# Altium PCB ATM1099C-0627-ssy-1.brd.PcbDoc (part 3 of 4)
Units mm, origin at the board's own origin, x right, y up, seen from the top; angles counter-clockwise.
Board outline 134 x 90 mm, 4 copper layers (TOP, GND, POWER, BOTTOM), stack 1.562 mm thick; 290 components, 303 nets, 1209 pads, 571 vias.
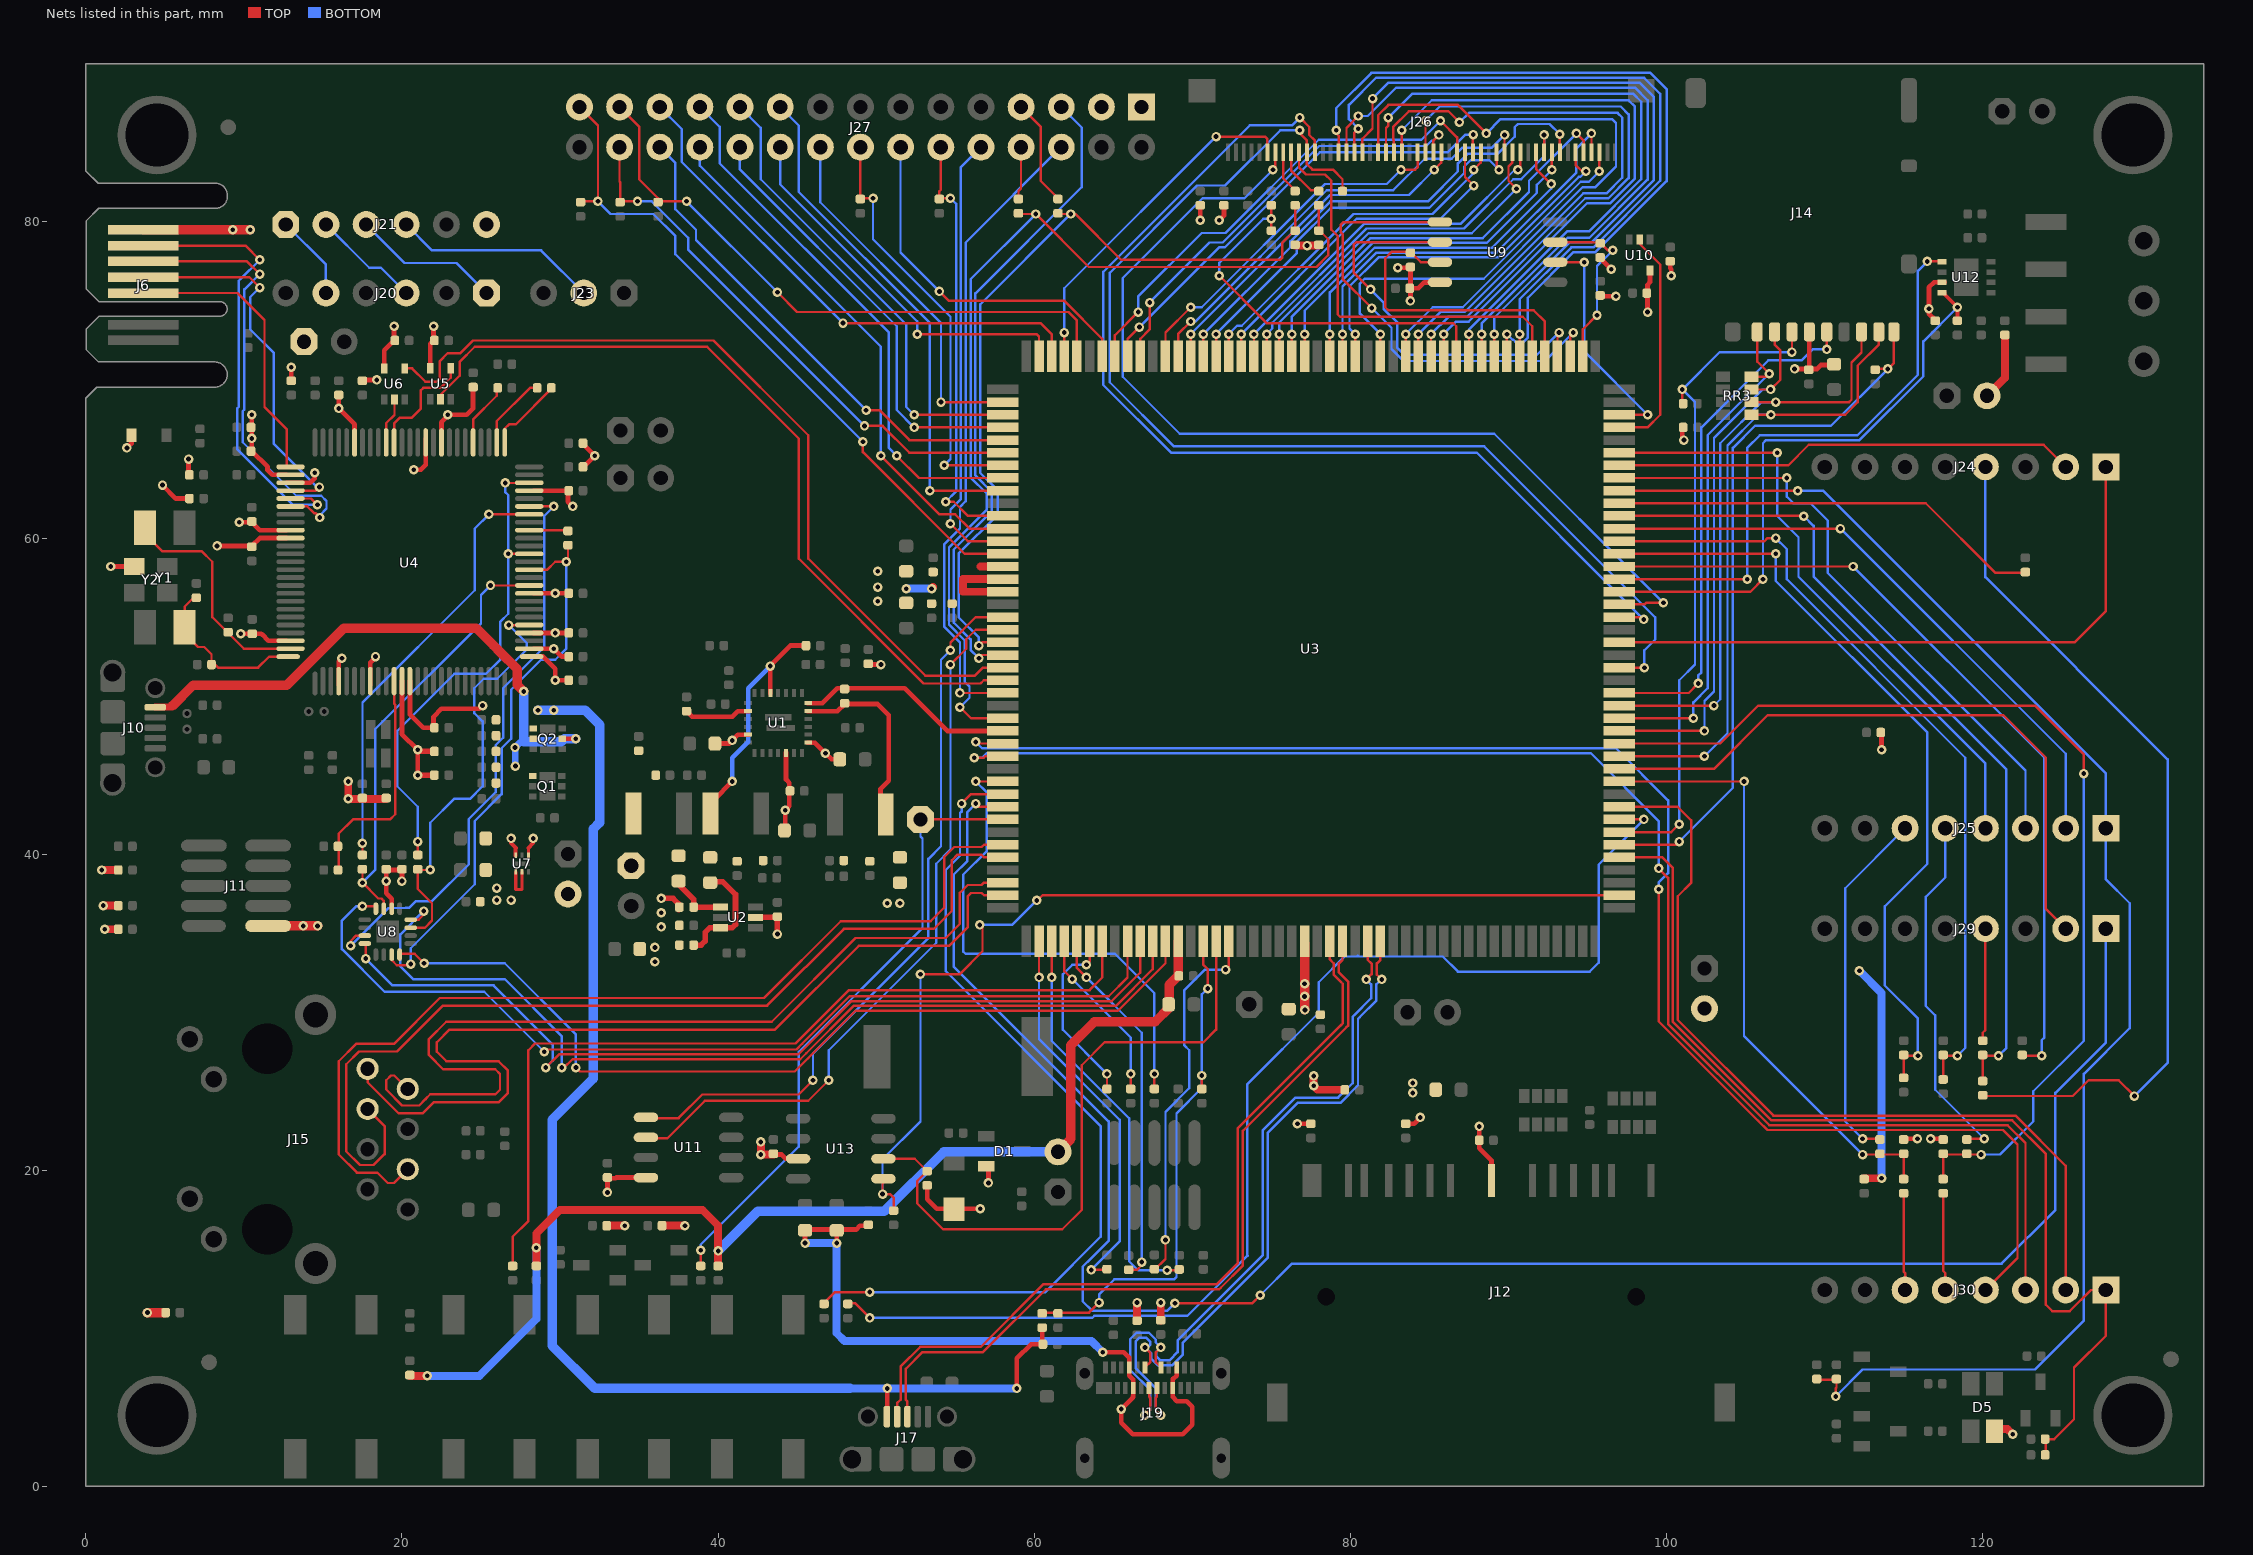
[diagram p5: the nets of this part, all layers, seen from the top]

## Via types
v1: diameter 0.6, hole 0.3, TOP to BOTTOM, tented both sides, 554 vias
v2: diameter 0.7, hole 0.3, TOP to BOTTOM, tented both sides, 17 vias

## Nets (pads, with @x,y where several pads share a name; then routed paths per layer and width w, separated by ;. In a path a pad name is that pad's centre, name@x,y a point inside that pad or via, vN(x,y) a via of type N, cw(c..) or ccw(c..) an arc to the next point about the centre after c; other vN are vias at no path point) (continued)
PA16: J26.39 U3.112 | length 68.2
  TOP w0.152: v1(76.8,86.6) 77.4,86 77.4,85.503 77.75,85.153 J26.39@77.75,84.4 ; U3.112@97,55 98.4,55 v1(98.55,54.85)
  BOTTOM w0.152: v1(76.8,86.6) 76.305,86.105 73.636,86.105 64.367,76.836 64.367,69.689 68.65,65.406 87.994,65.406 v1(98.55,54.85)
PA17: J26.40 R119.1 U3.108 | length 74.1
  TOP w0.152: v1(76.8,85.8) 76.8,85.6 77.25,85.15 77.25,83.647 77.592,83.305 78.895,83.305 79.5,82.7 R119.1@79.5,82 ; U3.108@97,51.8 v1(98.6,51.8)
  BOTTOM w0.152: v1(76.8,85.8) 75.569,85.8 72.074,82.305 70.305,82.305 64.776,76.776 64.776,69.859 68.834,65.8 88.471,65.8 99.284,54.984 99.284,53.584 98.6,52.9 v1(98.6,51.8)
PA18: J14.P7 RR3.2 U3.105 | length 38.3
  TOP w0.152: U3.105@97,49.4 v1(103,49.4) ; RR3.2@105.35,68.6 v1(106.9,68.6) 111.548,68.6 111.7,68.752 111.7,71.1 112.334,71.734 J14.P7@112.334,73.044
  BOTTOM w0.152: v1(103,49.4) 103.4,49.8 103.4,66 106,68.6 v1(106.9,68.6)
PA19: J14.P8 RR3.1 U3.101 | length 41.3
  TOP w0.152: U3.101@97,46.2 v1(102.4,46.2) ; RR3.1@105.35,67.8 RR3.1@105.375,67.8 v1(106.6,67.8) 111.3,67.8 112.1,68.6 112.1,70.906 113.434,72.24 J14.P8@113.434,73.044
  BOTTOM w0.152: v1(102.4,46.2) 103.856,47.656 103.856,65.856 105.8,67.8 v1(106.6,67.8)
PA20: J14.P1 RR3.4 U3.104 | length 32.7
  TOP w0.152: U3.104@97,48.6 v1(101.7,48.6) ; RR3.4@105.35,70.2 106.3,70.2 v1(106.5,70.4) 105.734,71.166 J14.P1@105.734,73.044
  BOTTOM w0.152: v1(101.7,48.6) 101.7,49.6 102.6,50.5 102.6,66.5 v1(106.5,70.4)
PA21: J14.P2 RR3.3 U3.103 | length 34.3
  TOP w0.152: U3.103@97,47.8 v1(102.4,47.8) ; RR3.3@105.35,69.4 RR3.3@105.375,69.4 v1(106.582,69.4) 107.2,70.018 107.2,71.874 106.834,72.24 J14.P2@106.834,73.044
  BOTTOM w0.152: v1(102.4,47.8) 102.4,49.7 103,50.3 103,66.322 106.078,69.4 v1(106.582,69.4)
PA22: J14.P5 U3.106 | length 32.6
  TOP w0.152: U3.106@97,50.2 101.4,50.2 v1(102,50.8) ; v1(110.134,71.934) J14.P5@110.134,73.044
  BOTTOM w0.152: v1(102,50.8) 102,51.303 102.2,51.503 102.2,67 106.437,71.237 108.537,71.237 109.234,71.934 v1(110.134,71.934)
PA23: R89.2 R94.1 R96.1 U3.102 | length 64.3
  TOP w0.152: U3.102@97,47 103.4,47 105.8,49.4 123.3,49.4 126.4,46.3 v1(126.4,45.1) ; R96.1@117.5,19.5 117.5,21 v1(119.9,21)
  BOTTOM w0.152: v1(119.9,21) 121.1,21 123.2,23.1 123.2,25 126.4,28.2 v1(126.4,45.1)
PA24: R90.2 R91.1 R95.1 U3.99 | length 38.7
  TOP w0.152: U3.99@97,44.6 v1(104.9,44.6) ; v1(112.4,21) 115,21 R95.1@115,19.5
  BOTTOM w0.152: v1(104.9,44.6) 104.9,28.5 v1(112.4,21)
PA25: J30.2 U3.97 | length 54.1
  TOP w0.152: U3.97@97,43 100.7,43 101.55,42.15 101.55,38.183 100.71,37.343 100.71,29.515 106.76,23.464 122.066,23.464 125.25,20.28 J30.2@125.25,12.43
PA26: J29.2 U3.100 | length 40.9
  TOP w0.152: U3.100@97,45.4 103,45.4 106.4,48.8 121.3,48.8 124,46.1 124,36.54 J29.2@125.25,35.29
PA27: R77.1 U3.90 U13.1 | length 65
  TOP w0.152: U13.1@50.46,19.466 50.46,19.237 50.4,19.177 v1(50.4,18.5) 50.875,18.5 51.1,18.275 R77.1@51.1,17.5 ; v1(52.8,32.4) 55.269,32.4 56.726,33.857 56.726,35.349 v1(56.55,35.525) ; v1(60.15,37.075) 60.15,37.025 60.525,37.4 U3.90@97,37.4
  BOTTOM w0.152: v1(50.4,18.5) 50.4,20.7 52.8,23.1 v1(52.8,32.4) ; v1(56.55,35.525) 58.6,35.525 v1(60.15,37.075)
PA28: J14.P3 R62.2 U3.95 | length 42.3
  TOP w0.152: U3.95@97,41.4 100.3,41.4 v1(100.8,41.9) ; R62.2@101,68.5 v1(101,69.4) ; v1(107.934,71.766) J14.P3@107.934,73.044
  BOTTOM w0.152: v1(100.8,41.9) 100.8,51 101.8,52 101.8,68.6 v1(101,69.4) 103.366,71.766 v1(107.934,71.766)
PA29: R73.1 U3.96 | length 77.4
  TOP w0.152: R73.1@48.2,11.6 48.662,11.6 v1(49.6,10.662) ; U3.96@97,42.2 v1(98.571,42.2)
  BOTTOM w0.152: v1(49.6,10.662) 63.662,10.662 63.8,10.8 69.692,10.8 73.5,14.608 73.472,14.636 73.472,25.442 73.5,25.47 78,29.97 78,31.9 79.629,33.529 80.519,33.529 ; 80.472,33.576 80.519,33.529 ; v1(98.571,42.2) 95.7,39.329 95.7,33.133 95.141,32.574 86.798,32.574 85.843,33.529 80.519,33.529
PA30: J14.G4 R63.2 U3.94 | length 45.4
  TOP w0.152: U3.94@97,40.6 100.6,40.6 v1(100.8,40.8) ; R63.2@113.2,70.7 v1(114,70.7) 114.384,71.084 J14.G4@114.384,73.044
  BOTTOM w0.152: v1(100.8,40.8) 104.2,44.2 104.2,65.7 105.6,67.1 110.4,67.1 v1(114,70.7)
PA31: J30.1 R133.1 R136.1 U3.93 | length 66.8
  TOP w0.152: U3.93@97,39.8 99.734,39.8 100.405,39.13 100.405,29.389 106.634,23.16 121.871,23.16 124,21.03 124,11.5 124.412,11.087 125.5,11.087 126.843,12.43 J30.1@127.79,12.43 127.79,9.538 125.775,7.523 125.775,4.25 124.525,3 124,3 R133.1@124,2
PB0: J25.2 U3.119 | length 38.9
  TOP w0.152: U3.119@97,60.6 v1(111,60.6)
  BOTTOM w0.152: v1(111,60.6) 125.25,46.35 J25.2@125.25,41.64
PB1: J25.1 R135.1 R137.1 U3.122 | length 94.6
  TOP w0.152: U3.122@97,63 v1(108.3,63) ; R137.1@109.5,6.75 110.75,6.75 110.75,6.253 110.7,6.203 v1(110.7,5.7)
  BOTTOM w0.152: v1(108.3,63) 109.9,63 127.79,45.11 J25.1@127.79,41.64 127.79,38.41 129.3,36.9 129.3,29 126.4,26.1 126.4,10.5 123.3,7.4 112.4,7.4 v1(110.7,5.7)
PB2: J24.2 U3.124 | length 29.4
  TOP w0.152: U3.124@97,64.6 107.7,64.6 109,65.9 123.85,65.9 J24.2@125.25,64.5
PB3: J25.3 U3.123 | length 39.6
  TOP w0.152: U3.123@97,63.8 v1(107.6,63.8)
  BOTTOM w0.152: v1(107.6,63.8) 107.6,62.624 108.024,62.2 109.1,62.2 110.2,61.1 110.2,57.8 122.71,45.29 J25.3@122.71,41.64
PB4: J25.4 U3.125 | length 39.2
  TOP w0.152: U3.125@97,65.4 v1(107,65.4)
  BOTTOM w0.152: v1(107,65.4) 107,61.4 108.35,60.05 108.35,57.55 120.17,45.73 J25.4@120.17,41.64
PB5: U3.134 U9.6 | length 25.9
  TOP w0.152: v1(81.274,75.726) 80.2,76.8 80.2,78.562 80.352,78.714 U9.6@85.79,78.714 ; U3.134@93.1,71.5 93.1,72.9 v1(93.2,73)
  BOTTOM w0.152: v1(81.274,75.726) 82.1,74.9 82.1,74.5 82.971,73.629 82.971,72.029 83.4,71.6 91.8,71.6 v1(93.2,73)
PB6: U3.127 U10.2 | length 14.5
  TOP w0.152: U3.127@97,67 98.8,67 99.6,67.8 99.6,77.302 98.3,78.602 U10.2@98.3,78.85
PB7: U3.133 U9.5 | length 29.8
  TOP w0.152: v1(81.35,74.55) 79.505,76.395 79.505,79.226 79.4,79.331 79.4,79.832 79.552,79.984 U9.5@85.79,79.984 ; U3.133@93.9,71.5 93.9,72.8 v1(94.1,73)
  BOTTOM w0.152: v1(81.35,74.55) 82.6,73.3 82.6,71.969 83.369,71.2 92.3,71.2 v1(94.1,73)
PB8: U3.128 U9.2 | length 15.6
  TOP w0.152: U9.2@92.29,77.444 93.19,77.444 v1(94.8,77.444) ; U3.128@97,67.8 v1(98.8,67.8)
  BOTTOM w0.152: v1(94.8,77.444) 94.8,71.8 v1(98.8,67.8)
PB9: R53.2 U3.132 U9.3 | length 12
  TOP w0.152: U9.3@92.29,78.714 93.19,78.714 95.333,78.714 95.347,78.7 95.8,78.7 95.825,78.675 96.3,78.2 v1(96.6,78.2) ; U3.132@94.7,71.5 94.7,73.2 v1(95.6,74.1)
  BOTTOM w0.152: v1(95.6,74.1) 95.6,77.2 v1(96.6,78.2)
PB10: R54.2 U3.135 U9.7 | length 19.8
  TOP w0.152: U9.7@85.79,77.444 85.664,77.444 84.456,77.444 83.8,78.1 82.6,78.1 82.2,77.7 82.2,74.6 82.4,74.4 91.6,74.4 92.3,73.7 U3.135@92.3,71.5
PB11: J26.3 U3.148 | length 24.4
  TOP w0.152: U3.148@81.9,71.5 v1(81.9,72.9) ; v1(95.75,83.2) J26.3@95.75,84.4
  BOTTOM w0.152: v1(81.9,72.9) 80.6,74.2 80.6,76.1 80.9,76.4 88.431,76.4 94.57,82.539 95.089,82.539 v1(95.75,83.2)
PB12: J26.4 U3.151 | length 26.3
  TOP w0.152: U3.151@79.5,71.5 v1(79.5,72.9) ; J26.4@95.25,84.4 v1(95.25,85.6)
  BOTTOM w0.152: v1(79.5,72.9) 79.5,75.913 81.648,78.062 89.23,78.062 94.3,83.131 94.3,84.65 v1(95.25,85.6)
PB13: J26.5 U3.155 | length 27.1
  TOP w0.152: U3.155@76.3,71.5 v1(76.3,72.9) ; v1(94.3,85.6) 94.75,85.15 J26.5@94.75,84.4
  BOTTOM w0.152: v1(76.3,72.9) 76.3,74.007 81.269,78.976 88.376,78.976 91.3,81.9 91.3,82.6 v1(94.3,85.6)
PB14: J26.6 U3.150 | length 24.2
  TOP w0.152: U3.150@80.3,71.5 v1(80.3,72.9) ; J26.6@94.252,84.4 94.25,83.6 94.65,83.2 v1(94.9,83.2)
  BOTTOM w0.152: v1(80.3,72.9) 79.944,73.256 79.944,75.926 81.774,77.757 89.357,77.757 94.444,82.844 94.544,82.844 v1(94.9,83.2)
PB15: J26.8 U3.162 | length 31.7
  TOP w0.152: U3.162@70.7,71.5 v1(70.7,72.9) ; J26.8@93.25,84.4 v1(93.25,85.548)
  BOTTOM w0.152: v1(70.7,72.9) 76.2,78.4 76.2,78.769 78.731,81.3 84.9,81.3 86.8,83.2 86.8,83.7 87.4,84.3 89.3,84.3 90.4,85.4 90.4,86 90.595,86.195 92.603,86.195 v1(93.25,85.548)
PB16: J26.9 U3.154 | length 23.6
  TOP w0.152: U3.154@77.1,71.5 v1(77.1,72.9) ; v1(92.75,83.3) J26.9@92.75,84.4
  BOTTOM w0.152: v1(77.1,72.9) 77.1,74.376 81.396,78.671 88.624,78.671 91.8,81.847 91.8,82.35 v1(92.75,83.3)
PB17: J26.10 U3.157 | length 26.3
  TOP w0.152: U3.157@74.7,71.5 v1(74.7,72.9) ; J26.10@92.25,84.4 v1(92.25,85.5)
  BOTTOM w0.152: v1(74.7,72.9) 75.056,73.256 75.056,73.625 81.017,79.586 87.186,79.586 90.3,82.7 90.8,82.7 92.25,84.15 v1(92.25,85.5)
PB18: J26.11 U3.152 | length 23.5
  TOP w0.152: U3.152@78.7,71.5 v1(78.7,72.9) ; J26.11@91.75,84.4 91.75,83.35 v1(92.7,82.4)
  BOTTOM w0.152: v1(78.7,72.9) 78.7,75.544 81.522,78.366 88.966,78.366 92.7,82.1 v1(92.7,82.4)
PB19: J26.13 U3.158 | length 23.6
  TOP w0.152: U3.158@73.9,71.5 v1(73.9,72.9) ; v1(90.6,83.3) 90.75,83.45 J26.13@90.752,84.4
  BOTTOM w0.152: v1(73.9,72.9) 80.89,79.89 86.99,79.89 90.4,83.3 v1(90.6,83.3)
PB20: J26.14 U3.156 | length 23.3
  TOP w0.152: U3.156@75.5,71.5 v1(75.5,72.9) ; J26.14@90.252,84.4 90.25,83.75 90,83.5 90,82.6 v1(90.5,82.1)
  BOTTOM w0.152: v1(75.5,72.9) 75.5,73.638 81.143,79.281 87.681,79.281 v1(90.5,82.1)
PB21: J26.15 U3.164 | length 28.4
  TOP w0.152: U3.164@69.1,71.5 69.1,72.9 v1(69.9,73.7) ; J26.15@89.75,84.4 v1(89.75,85.5)
  BOTTOM w0.152: v1(69.9,73.7) 70.2,73.7 78.5,82 78.569,82 78.574,82.005 82.705,82.005 84.7,84 86.4,84 87.1,84.7 88.95,84.7 v1(89.75,85.5)
PB22: J26.16 U3.161 | length 25.9
  TOP w0.152: U3.161@71.5,71.5 v1(71.5,72.9) ; J26.16@89.25,84.4 89.25,83.45 v1(89.4,83.3)
  BOTTOM w0.152: v1(71.5,72.9) 76.6,78 76.6,78.738 78.762,80.9 85,80.9 87.2,83.1 87.2,83.5 87.6,83.9 88.8,83.9 v1(89.4,83.3)
PB23: J26.18 U3.160 | length 22.6
  TOP w0.152: U3.160@72.3,71.5 v1(72.3,72.9) ; v1(87.8,83.3) 88.25,83.75 J26.18@88.25,84.4
  BOTTOM w0.152: v1(72.3,72.9) 72.829,73.429 73.129,73.429 80.2,80.5 85.2,80.5 87.8,83.1 v1(87.8,83.3)
PB24: J26.19 U3.168 | length 29.5
  TOP w0.152: U3.168@65.9,71.5 65.9,72.603 66.247,72.95 66.25,72.95 v1(66.65,73.35) ; J26.19@87.75,84.4 87.75,85.5 v1(87.775,85.525)
  BOTTOM w0.152: v1(66.65,73.35) 71.69,78.39 72.053,78.39 78.062,84.4 86.147,84.4 87.272,85.525 v1(87.775,85.525)
PB25: J26.20 U3.159 | length 22.3
  TOP w0.152: U3.159@73.1,71.5 v1(73.1,72.9) ; J26.20@87.252,84.4 87.25,82.85 v1(87.8,82.3)
  BOTTOM w0.152: v1(73.1,72.9) 80.395,80.195 85.695,80.195 v1(87.8,82.3)
PB26: J26.21 U3.169 | length 30.6
  TOP w0.152: U3.169@65.1,71.5 65.1,72.829 v1(66.571,74.3) ; v1(85.699,86.399) 86.75,85.348 J26.21@86.75,84.4
  BOTTOM w0.152: v1(66.571,74.3) 66.571,75.271 70.6,79.3 72.1,79.3 78,85.2 84.5,85.2 v1(85.699,86.399)
PB27: J26.23 U3.163 | length 22.4
  TOP w0.152: U3.163@69.9,71.5 v1(69.9,72.9) ; v1(85.3,83.3) 85.75,83.75 J26.23@85.75,84.4
  BOTTOM w0.152: v1(69.9,72.9) 78.7,81.7 83.7,81.7 v1(85.3,83.3)
PB28: J26.24 U3.167 | length 27.6
  TOP w0.152: U3.167@66.7,71.5 66.7,72.6 67.298,73.198 v1(67.298,74.9) ; J26.24@85.25,84.4 85.25,85.15 v1(85.6,85.5)
  BOTTOM w0.152: v1(67.298,74.9) 71.093,78.695 71.926,78.695 78.031,84.8 84.8,84.8 85.144,85.144 85.244,85.144 v1(85.6,85.5)
PB29: J26.25 U3.144 | length 37.4
  TOP w0.152: J26.25@84.75,84.4 v1(84.75,86.4) ; U3.144@85.1,71.5 v1(85.1,72.9)
  BOTTOM w0.152: v1(84.75,86.4) 85.65,87.3 97.1,87.3 97.6,86.8 97.6,82.769 96.326,81.495 94.857,81.495 87.357,73.995 86.195,73.995 v1(85.1,72.9)
PB30: J26.26 U3.165 | length 22.7
  TOP w0.152: U3.165@68.3,71.5 68.3,73 v1(69.9,74.6) ; v1(83.2,83.3) 84.1,83.3 84.25,83.45 J26.26@84.252,84.4
  BOTTOM w0.152: v1(69.9,74.6) 70.6,74.6 78.4,82.4 82.3,82.4 v1(83.2,83.3)
PB31: J26.28 U3.143 | length 39.2
  TOP w0.152: J26.28@83.25,84.4 v1(83.25,85.8) ; U3.143@85.9,71.5 v1(85.9,72.9)
  BOTTOM w0.152: v1(83.25,85.8) 85.15,87.7 97.6,87.7 98,87.3 98,82.738 96.453,81.19 94.984,81.19 87.484,73.69 86.69,73.69 v1(85.9,72.9)
PC0: J26.29 U3.145 | length 39.4
  TOP w0.152: J26.29@82.75,84.4 82.75,85.153 82.7,85.203 82.7,86 83.7,87 86.2,87 v1(86.9,86.3) ; U3.145@84.3,71.5 v1(84.3,72.9)
  BOTTOM w0.152: v1(84.3,72.9) 85.7,74.3 87.231,74.3 94.731,81.8 96.2,81.8 97.2,82.8 97.2,86.6 96.9,86.9 87.5,86.9 v1(86.9,86.3)
PC1: J26.30 U3.141 | length 40.5
  TOP w0.152: J26.30@82.25,84.4 82.25,85.947 82.4,86.097 v1(82.4,86.6) ; U3.141@87.5,71.5 v1(87.5,72.9)
  BOTTOM w0.152: v1(82.4,86.6) 83.9,88.1 97.9,88.1 98.4,87.6 98.4,82.707 95.093,79.4 93.7,79.4 87.5,73.2 v1(87.5,72.9)
PC2: J26.31 U3.146 | length 40.7
  TOP w0.152: J26.31@81.75,84.4 81.75,86.75 82.4,87.4 86.8,87.4 v1(88.6,85.6) ; U3.146@83.5,71.5 v1(83.5,72.9)
  BOTTOM w0.152: v1(83.5,72.9) 85.205,74.605 87.105,74.605 94.7,82.2 95.498,82.2 96.8,83.502 96.8,86.248 96.548,86.5 89.5,86.5 v1(88.6,85.6)
PC3: R27.1 R28.1 U3.142 | length 25
  TOP w0.152: v1(71.702,76.6) 74.702,73.6 86.503,73.6 86.7,73.403 U3.142@86.7,71.5 ; R28.1@75,79.5 v1(75,80.2) R27.1@75,81
  BOTTOM w0.152: v1(71.702,76.6) 71.702,77.406 74.497,80.2 v1(75,80.2)
PC4: J26.41 U3.136 | length 26.5
  TOP w0.152: J26.41@76.75,84.4 76.75,83.439 77.189,83 78.4,83 78.8,82.6 78.8,79.5 79.2,79.1 79.2,74.152 79.352,74 90.9,74 91.5,73.4 U3.136@91.5,71.5
PC5: J26.34 U3.137 | length 45.3
  TOP w0.152: J26.34@80.252,84.4 80.25,85.65 v1(80.5,85.9) ; U3.137@90.7,71.5 v1(90.7,72.9)
  BOTTOM w0.152: v1(80.5,85.9) 79.9,86.5 79.9,87.4 81.619,89.119 98.581,89.119 99.6,88.1 99.6,82.613 95.377,78.39 93.984,78.39 90.7,75.107 v1(90.7,72.9)
PC6: J26.35 U3.140 | length 43.4
  TOP w0.152: J26.35@79.75,84.4 79.75,85.95 v1(80.5,86.7) ; U3.140@88.3,71.5 v1(88.3,72.9)
  BOTTOM w0.152: v1(80.5,86.7) 81.1,86.7 82.9,88.5 98,88.5 98.8,87.7 98.8,82.676 95.124,79 93.731,79 88.3,73.569 v1(88.3,72.9)
PC7: J26.33 U3.139 | length 43.7
  TOP w0.152: J26.33@80.752,84.4 80.75,85.25 81.4,85.9 v1(81.4,87.8) ; U3.139@89.1,71.5 v1(89.1,72.9)
  BOTTOM w0.152: v1(81.4,87.8) 82.414,88.814 98.286,88.814 99.2,87.9 99.2,82.645 95.251,78.695 93.857,78.695 89.1,73.938 v1(89.1,72.9)
PC8: J26.36 U3.138 | length 48.4
  TOP w0.152: v1(79.1,85.8) 79.1,85.6 79.25,85.45 J26.36@79.25,84.4 ; U3.138@89.9,71.5 v1(89.9,72.9)
  BOTTOM w0.152: v1(79.1,85.8) 79.1,87.2 81.324,89.424 98.976,89.424 100,88.4 100,82.582 95.503,78.086 94.11,78.086 91.229,75.204 91.229,72.681 90.919,72.371 90.481,72.371 90.308,72.544 90.256,72.544 v1(89.9,72.9)
PC9: J27.18 U3.2 | length 23.2
  TOP w0.152: v1(54.1,68.6) U3.2@58,68.6
  BOTTOM w0.152: J27.18@46.46,84.73 46.46,81.24 54.1,73.6 v1(54.1,68.6)
PC10: J27.19 U3.9 | length 32.8
  TOP w0.152: v1(53.4,63) U3.9@58,63
  BOTTOM w0.152: J27.19@43.92,87.27 45.1,86.09 45.1,81.9 53.4,73.6 v1(53.4,63)
PC11: J27.20 U3.175 | length 24.4
  TOP w0.152: v1(52.6,72.9) 60.148,72.9 60.3,72.748 U3.175@60.3,71.5
  BOTTOM w0.152: J27.20@43.92,84.73 43.92,82.383 52.6,73.703 v1(52.6,72.9)
PC12: J27.21 U3.3 | length 29.6
  TOP w0.152: v1(52.4,67.8) U3.3@58,67.8
  BOTTOM w0.152: J27.21@41.38,87.27 42.7,85.95 42.7,82.7 51.9,73.5 51.9,68.3 v1(52.4,67.8)
PC13: J27.22 U3.4 | length 27.9
  TOP w0.152: v1(52.4,67) U3.4@58,67
  BOTTOM w0.152: J27.22@41.38,84.73 41.38,83.32 51.3,73.4 51.3,68.1 v1(52.4,67)
PC14: J27.23 U3.8 | length 34.5
  TOP w0.152: v1(51.3,65.2) 52.7,63.8 U3.8@58,63.8
  BOTTOM w0.152: J27.23@38.84,87.27 40.1,86.01 40.1,83.7 50.8,73 50.8,65.7 v1(51.3,65.2)
PC15: J27.24 U3.12 | length 33.9
  TOP w0.152: v1(50.3,65.2) 54,61.5 55,61.5 55.9,60.6 U3.12@58,60.6
  BOTTOM w0.152: J27.24@38.84,84.73 38.84,83.56 50.3,72.1 v1(50.3,65.2)
PC16: J27.25 U3.174 | length 33.4
  TOP w0.152: v1(47.9,73.6) 60.4,73.6 61.1,72.9 U3.174@61.1,71.5
  BOTTOM w0.152: J27.25@36.3,87.27 37.7,85.87 37.7,83.8 v1(47.9,73.6)
PC17: J27.26 U3.5 | length 31.5
  TOP w0.152: v1(49.36,68.093) 50.207,68.093 52.1,66.2 U3.5@58,66.2
  BOTTOM w0.152: J27.26@36.3,84.73 36.304,84.726 37.3,83.73 37.3,80.8 38.6,79.5 38.6,78.852 v1(49.36,68.093)
PC18: J27.27 R82.1 U3.172 | length 38.9
  TOP w0.152: J27.27@33.76,87.27 35,86.03 35,82.7 36.2,81.5 36.2,81.3 v1(38,81.3) ; v1(43.75,75.55) 45,74.3 62.172,74.3 62.7,73.772 U3.172@62.7,71.5
  BOTTOM w0.152: v1(38,81.3) v1(43.75,75.55)
PC19: J27.28 R84.1 U3.6 | length 34.7
  TOP w0.152: J27.28@33.76,84.73 33.76,82.54 33.8,82.5 33.8,81.3 v1(34.9,81.3) ; v1(49.26,67.092) 50.407,67.092 52.1,65.4 U3.6@58,65.4
  BOTTOM w0.152: v1(34.9,81.3) 35.8,81.3 38.1,79 38.1,78.252 v1(49.26,67.092)
PC20: J27.29 R86.1 U3.14 | length 43.5
  TOP w0.152: J27.29@31.22,87.27 32.4,86.09 v1(32.4,81.3) R86.1@31.3,81.3 ; v1(49.16,66.092) 49.16,65.44 55.6,59 U3.14@58,59
  BOTTOM w0.152: v1(32.4,81.3) 33.2,80.5 35.9,80.5 37.3,79.1 37.3,77.952 v1(49.16,66.092)
PC21: J27.16 R87.1 U3.7 | length 26.8
  TOP w0.152: J27.16@49,84.73 49,81.5 v1(49.8,81.5) ; v1(54.3,64.6) U3.7@58,64.6
  BOTTOM w0.152: v1(49.8,81.5) 49.8,78.9 54.7,74 54.7,65 v1(54.3,64.6)
PC22: J27.12 R88.1 U3.11 | length 27.6
  TOP w0.152: J27.12@54.08,84.73 54.08,82.033 54,81.953 54,81.5 v1(54.7,81.5) ; v1(54.4,62.3) 54.903,62.3 55.803,61.4 U3.11@58,61.4
  BOTTOM w0.152: v1(54.4,62.3) 55.056,62.956 55.056,81.144 v1(54.7,81.5)
PC23: J27.14 U3.170 | length 22.8
  TOP w0.152: v1(54,75.6) 54.6,75 61.903,75 64.3,72.603 U3.170@64.3,71.5
  BOTTOM w0.152: J27.14@51.54,84.73 51.54,78.06 v1(54,75.6)
PC24: J27.10 U3.13 | length 28.4
  TOP w0.152: v1(54.7,60.9) 55.8,59.8 U3.13@58,59.8
  BOTTOM w0.152: v1(54.7,60.9) 54.7,61.8 55.361,62.461 55.361,83.471 J27.10@56.62,84.73
PC25: J26.45 U3.173 | length 22
  TOP w0.152: U3.173@61.9,71.5 v1(61.9,73) ; v1(71.5,85.4) 74.598,85.4 74.75,85.248 J26.45@74.75,84.4
  BOTTOM w0.152: v1(61.9,73) 61.9,75.8 v1(71.5,85.4)
PC26: U3.115 U12.1 | length 37.6
  TOP w0.152: U3.115@97,57.4 v1(105.1,57.4) ; v1(116.5,77.5) 117.575,77.5 U12.1@117.6,77.475
  BOTTOM w0.152: v1(105.1,57.4) 105.1,65.7 105.905,66.505 112.079,66.505 115.9,70.326 115.9,76.9 v1(116.5,77.5)
PC27: C62.1 U3.114 U12.4 | length 37.2
  TOP w0.152: U3.114@97,56.6 105.3,56.6 v1(106.1,57.4)
  TOP w0.25: U12.4@117.6,75.525 117.6,75.4 v1(118.4,74.6) C62.1@118.4,73.8
  BOTTOM w0.152: v1(106.1,57.4) 106.1,66 106.3,66.2 112.205,66.2 116.244,70.239 116.244,72.444 v1(118.4,74.6)
PC28: R105.1 R106.1 U3.117 | length 49.9
  TOP w0.152: U3.117@97,59 v1(106.9,59) ; R105.1@115,25.9 115,27.25 v1(115.9,27.25)
  BOTTOM w0.152: v1(106.9,59) 106.9,57.3 116.5,47.7 116.5,39.4 113.8,36.7 113.8,31.7 115.9,29.6 v1(115.9,27.25)
PC29: R103.1 R104.1 U3.118 | length 50.3
  TOP w0.152: U3.118@97,59.8 106.197,59.8 106.397,60 v1(106.9,60) ; R103.1@117.5,25.8 117.5,27.25 v1(118.4,27.25)
  BOTTOM w0.152: v1(106.9,60) 107.6,59.3 107.6,57.4 118.9,46.1 118.9,27.75 v1(118.4,27.25)
PC30: R98.1 R100.1 U3.120 | length 53.9
  TOP w0.152: U3.120@97,61.4 108.668,61.4 v1(108.683,61.386) ; R98.1@120,25.7 120,27.25 v1(121,27.25)
  BOTTOM w0.152: v1(108.683,61.386) 109.3,60.768 109.3,57.569 121.5,45.369 121.5,27.75 v1(121,27.25)
PC31: R107.1 U3.116 | length 52.1
  TOP w0.152: U3.116@97,58.2 v1(111.8,58.2) ; R107.1@122.5,27.25 v1(123.729,27.25)